# KiCad board PortWing.kicad_pcb (continued)
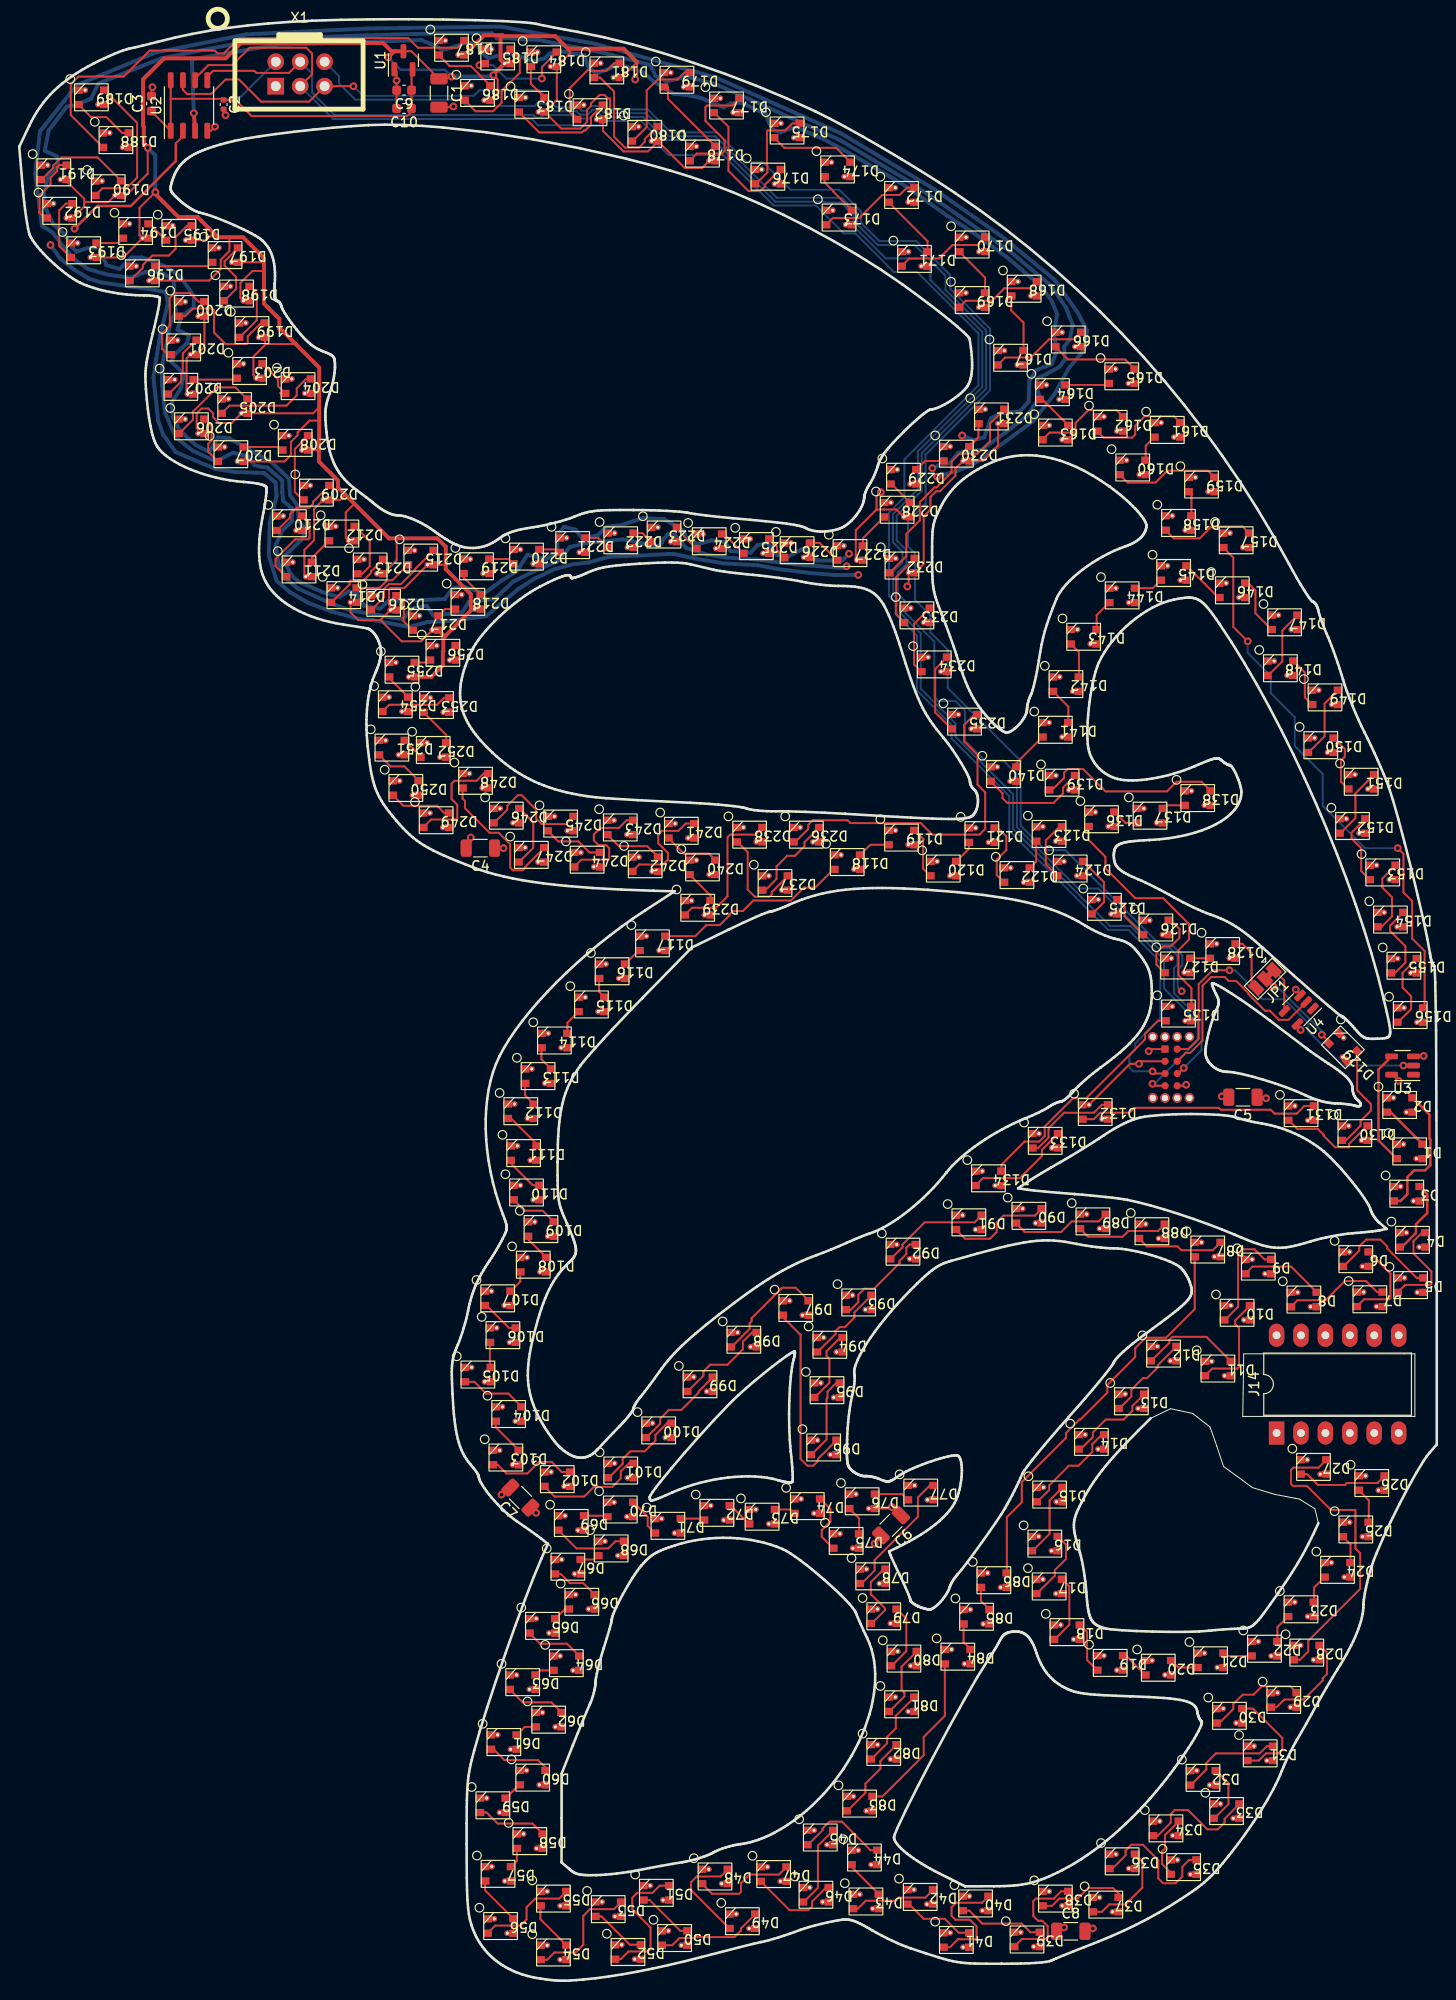
[diagram p0: board, top side]
## Routing (per net, layer and track width the routed paths; a pad name or vN(x,y) marks a point on that pad's centre or on a via; arc(x,y) is an arc through that point) (continued)
Net-(D59-DOUT): length 2
  Top w0.2: D60.2 51.98,20.36 D59.4
Net-(D60-DOUT): length 6.8
  Top w0.2: D60.4 54.75,22.15 53.96,22.94 50.46,22.94 49.33,24.06 D61.2
Net-(D61-DOUT): length 2.3
  Top w0.2: D62.2 52.57,26.39 D61.4
Net-(D62-DOUT): length 6.4
  Top w0.2: D62.4 55.36,28.94 52.36,28.94 D63.2
Net-(D63-DOUT): length 2
  Top w0.2: D64.2 54.18,32.26 D63.4
Net-(D64-DOUT): length 6.2
  Top w0.2: D64.4 56.97,35.04 54.16,35.04 D65.2
Net-(D66-DIN): length 1.8
  Top w0.2: D66.2 56.76,38.64 D65.4
Net-(D66-DOUT): length 5
  Top w0.2: D66.4 58.66,41.34 57.26,41.34 56.31,42.29 D67.2
Net-(D67-DOUT): length 2
  Top w0.2: D67.4 59.81,43.79 D68.2
Net-(D68-DOUT): length 7.9
  Top w0.2: D69.2 57.96,44.94 61.26,44.94 62.01,45.69 D68.4
Net-(D69-DOUT): length 2.4
  Top w0.2: D69.4 61.06,48.34 D70.2
Net-(D71-DIN): length 4.1
  Top w0.2: D71.2 65.36,47.29 65.36,48.24 D70.4
Net-(D71-DOUT): length 2.5
  Top w0.2: D71.4 71.06,48.04 D72.2
Net-(D72-DOUT): length 2.8
  Top w0.2: D72.4 74.01,49.39 D73.2
Net-(D73-DOUT): length 2.2
  Top w0.2: D74.2 80.21,48.99 D73.4
Net-(D74-DOUT): length 6.4
  Top w0.2: D75.2 83.46,46.15 83.46,46.84 84.36,47.74 84.36,49.04 D74.4
Net-(D75-DOUT): length 3.1
  Top w0.2: D76.2 87.35,48.05 D75.4
Net-(D76-DOUT): length 3.6
  Top w0.2: D76.4 91.81,50.59 D77.2
Net-(D77-DOUT): length 13.7
  Top w0.2: D78.2 87.61,41.29 88.96,42.64 88.96,43.74 93.46,48.24 93.46,50.24 94.71,51.49 D77.4
Net-(D78-DOUT): length 7.7
  Top w0.2: D79.2 88.66,37.14 90.06,38.54 90.06,38.69 88.6,40.14 88.56,40.14 88.56,41.44 89.91,42.79 D78.4
Net-(D79-DOUT): length 7
  Top w0.2: D79.4 92.26,37.64 92.26,34.27 90.73,32.74 D80.2
Net-(D80-DOUT): length 7.8
  Top w0.2: D80.4 91.76,32.64 91.76,30.24 92.06,29.94 92.06,29.57 90.48,27.99 D81.2
Net-(D82-DIN): length 8.4
  Top w0.2: D82.2 88.6,23.04 90.26,24.69 90.26,25.34 91.16,26.24 91.16,27.54 D81.4
Net-(D82-DOUT): length 9.1
  Top w0.2: D83.2 86.12,17.66 88,19.54 88,20.48 89.56,22.04 89.56,22.84 D82.4
Net-(D83-DOUT): length 17.5
  Top w0.2: D84.2 96.26,27.54 94.06,25.34 94.06,23.44 89.78,19.16 D83.4
Net-(D84-DOUT): length 3
  Top w0.2: D85.2 98.21,35.19 D84.4
Net-(D85-DOUT): length 2.7
  Top w0.2: D85.4 100.01,39.49 D86.2
Net-(D87-DIN): length 42.3
  Top w0.2: D86.4 102.71,48.19 104.26,49.74 104.26,51.84 108.86,56.44 108.86,56.94 110.26,58.34 110.36,58.34 113.16,61.14 113.16,61.94 116.06,64.84 116.06,65.77 117.13,66.84 119.26,66.84 122.25,69.83 D87.2
Net-(D87-DOUT): length 9.3
  Top w0.2: D87.4 124.12,75.94 120.86,75.94 120.46,76.34 117.27,76.34 D88.2
Net-(D88-DOUT): length 9.7
  Top w0.2: D89.2 111.16,77.34 114.76,77.34 115.36,77.94 118.42,77.94 D88.4
Net-(D89-DOUT): length 10.5
  Top w0.2: D89.4 112.26,78.94 109.46,78.94 108.36,77.84 104.57,77.84 D90.2
Net-(D90-DOUT): length 11.2
  Top w0.2: D90.4 105.62,79.54 102.36,79.54 101.66,78.84 101.66,77.84 100.96,77.14 98.36,77.14 D91.2
Net-(D91-DOUT): length 11.6
  Top w0.2: D92.2 90.63,75.04 91.86,76.27 91.86,76.54 94.16,78.84 99.36,78.84 D91.4
Net-(D92-DOUT): length 11.1
  Top w0.2: D92.4 92.61,76.54 92.26,76.19 92.26,75.54 91.56,74.84 91.56,74.62 88.88,71.94 87.9,71.94 87.26,71.3 87.26,70.54 86.48,69.76 D93.2
Net-(D93-DOUT): length 8.6
  Top w0.2: D94.2 83.02,65.36 84.9,67.24 84.9,67.54 85.3,67.94 85.86,67.94 86.86,68.94 86.86,69.47 D93.4
Net-(D94-DOUT): length 7.9
  Top w0.2: D94.4 85.38,66.86 83.96,65.44 83.96,64.95 84.26,64.65 84.26,62.17 82.73,60.64 D95.2
Net-(D95-DOUT): length 9
  Top w0.2: D96.2 82.38,54.69 83.96,56.27 83.96,60.52 84.06,60.62 84.06,61.24 84.96,62.14 D95.4
Net-(D96-DOUT): length 21
  Top w0.2: D97.2 79.41,68.99 81.26,67.14 81.26,54.24 81.96,53.54 82.58,53.54 83.06,54.02 83.06,54.24 D96.4
Net-(D98-DIN): length 11.7
  Top w0.2: D97.4 80.76,72.04 79.33,72.04 76.16,68.87 76.16,68.54 75.96,68.34 75.96,67.77 74.08,65.89 D98.2
Net-(D98-DOUT): length 10.5
  Top w0.2: D99.2 69.52,61.26 71.16,62.9 71.16,63.34 71.86,64.04 73.66,64.04 75.26,65.64 75.26,66.44 76.21,67.39 D98.4
Net-(D99-DOUT): length 10
  Top w0.2: D99.4 70.66,61.27 70.66,61.14 68.86,59.34 67.56,59.34 66.66,58.44 66.66,57.92 65.2,56.46 D100.2
Net-(D100-DOUT): length 9.6
  Top w0.2: D100.4 67.38,57.96 66.16,56.74 66.16,56.14 65.06,55.04 63.56,55.04 62.76,54.24 62.76,53.74 61.31,52.29 D101.2
Net-(D101-DOUT): length 11.6
  Top w0.2: D102.2 55.66,50.34 58.76,50.34 59.76,51.34 61.68,51.34 62.56,52.22 62.56,52.94 63.41,53.79 D101.4
Net-(D103-DIN): length 9.4
  Top w0.2: D103.2 49.76,53.64 50.66,52.74 52.86,52.74 54.06,53.94 55.36,53.94 56.41,52.89 D102.4
Net-(D103-DOUT): length 4
  Top w0.2: D103.4 49.55,57.55 D104.2
Net-(D104-DOUT): length 7
  Top w0.2: D105.2 47.33,62.26 48.56,61.04 50.87,61.04 D104.4
Net-(D105-DOUT): length 2.6
  Top w0.2: D105.4 48.95,63.86 D106.2
Net-(D106-DOUT): length 4.2
  Top w0.2: D107.2 48.61,70.19 50.93,67.86 D106.4
Net-(D107-DOUT): length 2.4
  Top w0.2: D107.4 52.11,72.69 D108.2
Net-(D108-DOUT): length 3
  Top w0.2: D109.2 52.91,77.09 D108.4
Net-(D109-DOUT): length 5.2
  Top w0.2: D110.2 52.56,80.04 54.46,80.04 D109.4
Net-(D110-DOUT): length 4.3
  Top w0.2: D110.4 53.41,82.69 51.11,84.99 D111.2
Net-(D111-DOUT): length 4.3
  Top w0.2: D111.4 53.81,86.99 51.16,89.64 D112.2
Net-(D113-DIN): length 2.5
  Top w0.2: D113.2 52.61,92.04 D112.4
Net-(D113-DOUT): length 2.6
  Top w0.2: D113.4 54.31,95.79 D114.2
Net-(D114-DOUT): length 2.7
  Top w0.2: D115.2 57.01,99.59 D114.4
Net-(D115-DOUT): length 2.2
  Top w0.2: D116.2 60.31,102.79 D115.4
Net-(D116-DOUT): length 2.1
  Top w0.2: D116.4 64.41,107.09 D117.2
Net-(D117-DOUT): length 20.5
  Top w0.2: D118.2 84.68,115.54 82.78,113.64 81.6,113.64 80.25,112.29 76.33,112.29 75.23,111.19 74.21,111.19 73.86,110.84 73.86,110.74 72.86,109.74 71.46,109.74 70.31,108.59 D117.4
Net-(D119-DIN): length 3.4
  Top w0.2: D118.4 88.51,118.09 D119.2
Net-(D119-DOUT): length 5.5
  Top w0.2: D120.2 94,115.61 94,118.58 94.06,118.64 D119.4
Net-(D120-DOUT): length 2.5
  Top w0.2: D120.4 98.76,117.67 D121.2
Net-(D121-DOUT): length 7
  Top w0.2: D121.4 101.76,119.84 102.66,118.94 102.66,117.54 101.66,116.54 101.66,114.94 D122.2
Net-(D122-DOUT): length 3
  Top w0.2: D123.2 105.75,116.33 D122.4
Net-(D123-DOUT): length 6.5
  Top w0.2: D124.2 106.76,116.05 106.76,118.54 108.18,119.96 D123.4
Net-(D124-DOUT): length 7
  Top w0.2: D124.4 112.81,114.2 112.81,112.12 111.58,110.89 D125.2
Net-(D125-DOUT): length 4.7
  Top w0.2: D125.4 114.96,111.64 114.96,110.64 D126.2
Net-(D126-DOUT): length 7.9
  Top w0.2: D127.2 118.26,105.64 118.26,106.84 118.96,107.54 119.78,107.54 120.66,108.42 120.66,109.34 119.76,110.24 D126.4
Net-(D127-DOUT): length 2
  Top w0.2: D128.2 D127.4
Net-(D129-DOUT): length 11.3
  Top w0.2: D129.4 139.14,92.56 140.56,91.14 140.56,90.44 139.5,89.38 139.5,88.88 137.98,87.36 D130.2
Net-(D130-DOUT): length 10.6
  Top w0.2: D131.2 132.03,89.44 132.93,88.54 135.06,88.54 135.66,87.94 135.66,87.83 136.85,86.64 138.25,86.64 138.3,86.69 138.3,86.99 140.17,88.86 D130.4
Net-(D131-DOUT): length 25.2
  Top w0.2: D132.2 111.75,89.56 112.43,90.24 115.46,90.24 115.96,90.74 124.76,90.74 124.96,90.54 130.16,90.54 130.56,90.14 132.86,90.14 133.66,90.94 D131.4
Net-(D132-DOUT): length 10.3
  Top w0.2: D132.4 112.6,91.06 111.77,90.24 108.65,90.24 107.06,88.64 107.06,88.44 107.05,88.43 107.05,87.65 105.96,86.56 D133.2
Net-(D133-DOUT): length 11.2
  Top w0.2: D133.4 106.36,86.37 106.36,85.74 104.06,83.44 100.22,83.44 D134.2
Net-(D135-DIN): length 24.8
  Top w0.2: D134.4 102.15,84.83 104.55,87.24 106.07,87.24 106.65,87.82 106.65,88.8 109.59,91.74 110.95,91.74 117.09,97.87 117.09,98.45 118.42,99.79 D135.2
Net-(D135-DOUT): length 25.7
  Top w0.2: D136.2 111.21,118.59 112.96,116.84 112.96,115.64 116.06,112.54 118.96,112.54 121.66,109.84 121.66,108.24 120.56,107.14 120.56,104.54 121.91,103.19 D135.4
Net-(D136-DOUT): length 2.8
  Top w0.2: D137.2 115.03,120.36 D136.4
Net-(D137-DOUT): length 2.4
  Top w0.2: D138.2 119.27,122.19 D137.4
Net-(D138-DOUT): length 19.8
  Top w0.2: D138.4 122.96,124.64 120.36,124.64 119.36,123.64 112.96,123.64 110.63,125.97 109.06,125.97 108.66,125.57 108.66,125.04 107.41,123.79 D139.2
Net-(D139-DOUT): length 11.6
  Top w0.2: D139.4 108.56,124.04 108.56,123.44 107.56,122.44 102.76,122.44 102.26,122.94 102.26,123.44 D140.2
Net-(D140-DOUT): length 4.2
  Top w0.2: D141.2 103.71,126.59 D140.4
Net-(D141-DOUT): length 3.9
  Top w0.2: D141.4 109.11,132.44 D142.2
Net-(D142-DOUT): length 3.8
  Top w0.2: D143.2 110.21,138.1 D142.4
Net-(D143-DOUT): length 3.3
  Top w0.2: D143.4 112.05,141.96 D144.2
Net-(D145-DIN): length 3
  Top w0.2: D145.2 117.88,144.76 D144.4
Net-(D145-DOUT): length 4.8
  Top w0.2: D145.4 124.71,143.79 D146.2
Net-(D146-DOUT): length 6.1
  Top w0.2: D147.2 128.56,142.15 128.56,144.54 127.81,145.29 D146.4
Net-(D147-DOUT): length 7.6
  Top w0.2: D148.2 129.88,135.69 131.36,137.17 131.36,140.34 131.55,140.53 131.55,140.56 D147.4
Net-(D148-DOUT): length 5.3
  Top w0.2: D149.2 133.7,133.41 133.7,136 D148.4
Net-(D149-DOUT): length 7.8
  Top w0.2: D150.2 134.08,127.69 135.76,129.37 135.76,132.77 D149.4
Net-(D151-DIN): length 6.3
  Top w0.2: D151.2 137.46,124.64 137.46,126.84 137.86,127.24 137.86,128.04 D150.4
Net-(D151-DOUT): length 7.6
  Top w0.2: D152.2 137.38,119.29 138.96,120.87 138.96,123.44 D151.4
Net-(D152-DOUT): length 7.7
  Top w0.2: D153.2 139.56,115.35 139.56,117.74 138.56,118.74 138.56,119.34 D152.4
Net-(D153-DOUT): length 8.3
  Top w0.2: D154.2 141.68,109.56 142.76,110.64 142.76,112.64 141.76,113.64 141.76,114.57 D153.4
Net-(D154-DOUT): length 8.4
  Top w0.2: D155.2 143.08,104.76 144.16,105.84 144.16,107.54 142.56,109.14 142.56,109.67 143.95,111.06 D154.4
Net-(D155-DOUT): length 8.3
  Top w0.2: D156.2 143.38,99.64 144.76,101.02 144.76,102.34 143.86,103.24 143.86,104.77 D155.4
Net-(D156-DOUT): length 58.6
  Top w0.2: v1(127.76,139.24) 126.26,140.74 126.26,147.94 D157.2 ; D156.4 146.16,101.29 146.16,107.04 144.86,108.34 144.86,112.24 143.96,113.14 143.96,117.14 v1(143.36,117.74)
  Bottom w0.2: v1(143.36,117.74) 139.96,117.74 135.56,122.14 135.56,125.44 132.66,128.34 132.66,131.34 130.16,133.84 130.16,135.64 127.76,138.04 v1(127.76,139.24)
Net-(D157-DOUT): length 9.8
  Top w0.2: D157.4 127.23,151.17 123.98,151.17 122.76,149.94 120.06,149.94 D158.2
Net-(D158-DOUT): length 2.6
  Top w0.2: D158.4 121.91,154.49 D159.2
Net-(D159-DOUT): length 11
  Top w0.2: D159.4 123.63,156.97 119.38,156.97 118.16,155.74 115.27,155.74 D160.2
Net-(D161-DIN): length 2.8
  Top w0.2: D161.2 117.15,159.56 D160.4
Net-(D161-DOUT): length 10.6
  Top w0.2: D161.4 120.07,162.64 117.05,162.64 116.06,161.64 116.06,160.74 115.73,160.42 112.78,160.42 D162.2
Net-(D162-DOUT): length 10.5
  Top w0.2: D163.2 107.16,160.94 109.78,160.94 109.86,161.02 109.86,161.94 111.18,163.27 114.13,163.27 D162.4
Net-(D163-DOUT): length 4.1
  Top w0.2: D164.2 106.41,164.39 D163.4
Net-(D164-DOUT): length 4.6
  Top w0.2: D164.4 113.16,165.89 D165.2
Net-(D165-DOUT): length 9.2
  Top w0.2: D166.2 109.07,168.54 115.01,168.54 D165.4
Net-(D167-DIN): length 10.1
  Top w0.2: D166.4 109.72,170.64 107.1,170.64 105.2,168.74 102.52,168.74 D167.2
Net-(D167-DOUT): length 6.2
  Top w0.2: D168.2 103.16,173.64 104.45,172.35 D167.4
Net-(D168-DOUT): length 9.2
  Top w0.2: D168.4 105.16,175.94 102.46,175.94 101.16,174.64 98.42,174.64 D169.2
Net-(D169-DOUT): length 5.4
  Top w0.2: D169.4 100.45,177.05 D170.2
Net-(D170-DOUT): length 9.9
  Top w0.2: D171.2 92.56,179.04 95.66,179.04 97.06,180.44 99.66,180.44 D170.4
Net-(D171-DOUT): length 6.8
  Top w0.2: D171.4 94.46,180.84 D172.2
Net-(D172-DOUT): length 10.8
  Top w0.2: D172.4 92.31,186.39 91.56,185.64 89.76,185.64 87.36,183.24 84.61,183.24 D173.2
Net-(D173-DOUT): length 4.7
  Top w0.2: D174.2 83.76,186.94 84.66,186.04 84.66,185.99 D173.4
Net-(D174-DOUT): length 9
  Top w0.2: D174.4 84.96,190.54 79.56,190.54 D175.2
Net-(D175-DOUT): length 9.9
  Top w0.2: D176.2 76.61,186.79 77.81,187.99 77.81,188.69 77.76,188.74 77.76,192.27 77.83,192.34 79.66,192.34 80.41,193.09 D175.4
Net-(D177-DIN): length 14.1
  Top w0.2: D177.2 72.28,194.19 73.76,192.72 73.76,188.14 75.86,186.04 77.06,186.04 77.56,186.54 77.56,186.72 79.13,188.29 D176.4
Net-(D177-DOUT): length 13.4
  Top w0.2: D177.4 74.16,194.94 71.53,194.94 71.36,194.77 71.36,193.34 73.36,191.34 73.36,190.22 73.08,189.94 70.46,189.94 D178.2
Net-(D178-DOUT): length 8.6
  Top w0.2: D179.2 67.43,196.86 67.46,196.84 67.46,195.64 D178.4
Net-(D179-DOUT): length 11.2
  Top w0.2: D179.4 69.18,198.36 68.46,197.64 66.4,197.64 65.26,196.5 65.26,192.72 63.78,191.24 D180.2
Net-(D180-DOUT): length 13.5
  Top w0.2: D181.2 60.41,197.84 61.86,196.39 61.86,191.71 63,190.57 64.46,190.57 65.06,191.17 65.06,191.47 66.33,192.74 D180.4
Net-(D181-DOUT): length 9.9
  Top w0.2: D182.2 57.26,194.24 57.26,196.77 59.13,198.64 59.36,198.64 59.46,198.54 61.06,198.54 61.86,199.34 D181.4
Net-(D183-DIN): length 11.3
  Top w0.2: D183.2 54.07,192.14 58.52,192.14 58.72,192.34 58.85,192.34 59.46,192.95 59.46,193.74 D182.4
Net-(D183-DOUT): length 3.8
  Top w0.2: D183.4 53.21,197.2 D184.2
Net-(D184-DOUT): length 11.1
  Top w0.2: v1(54.36,197.74) 54.36,198.94 D184.4 ; D185.2 48.26,199.14 v1(47.86,199.14)
  Bottom w0.2: v1(47.86,199.14) 49.26,199.14 50.66,197.74 v1(54.36,197.74)
Net-(D185-DOUT): length 11.4
  Top w0.2: D186.2 47.46,194.34 49.28,194.34 50.16,195.21 50.16,196.44 52.06,198.34 52.06,199.84 D185.4
Net-(D186-DOUT): length 6.7
  Top w0.2: D186.4 46.96,199.04 44.76,199.04 D187.2
Net-(D187-DOUT): length 51.8
  Top w0.2: D187.4 45.56,200.94 41.46,200.94 40.46,201.94 31.76,201.94 22.86,201.94 21.26,200.34 20.65,200.34 20.35,200.64 13.56,200.64 10.86,197.94 6.16,197.94 5.36,197.14 5.36,193.94 D188.2
Net-(D188-DOUT): length 6.5
  Top w0.2: D188.4 10.71,192.09 9.06,193.74 7.46,193.74 D189.2
Net-(D189-DOUT): length 15.6
  Top w0.2: D190.2 8.66,186.34 11.16,186.34 12.26,187.44 12.26,193.14 D189.4
Net-(D190-DOUT): length 10.5
  Top w0.2: D191.2 2.32,187.24 3.55,188.47 3.55,188.7 4.39,189.54 8.16,189.54 D190.4
Net-(D191-DOUT): length 7.6
  Top w0.2: D192.2 2.66,183.24 2.06,183.84 2.11,183.89 2.11,185.59 3.26,186.74 3.26,187.44 3.96,188.14 3.95,188.15 3.95,188.53 4.16,188.74 D191.4
Net-(D193-DIN): length 7.1
  Top w0.2: D193.2 4.16,180.34 4.16,184.04 4.86,184.74 D192.4
Net-(D193-DOUT): length 2.9
  Top w0.2: D193.4 10.26,180.64 D194.2
Net-(D194-DOUT): length 2.5
  Top w0.2: D195.2 13.56,182.64 D194.4
Net-(D195-DOUT): length 9.7
  Top w0.2: D196.2 11.53,176.74 12.86,178.07 12.86,178.37 13.83,179.34 15.56,179.34 16.26,180.04 16.26,181.24 17.46,182.44 D195.4
Net-(D196-DOUT): length 6.1
  Top w0.2: D196.4 19.66,178.24 D197.2
Net-(D197-DOUT): length 7.2
  Top w0.2: D197.4 22.76,180.14 21.36,178.74 21.36,178.31 22.56,177.11 22.56,175.87 21.33,174.64 D198.2
Net-(D199-DIN): length 6.4
  Top w0.2: D198.4 24.71,175.39 24.71,172.62 22.93,170.84 D199.2
Net-(D199-DOUT): length 13.5
  Top w0.2: D199.4 25.16,172.34 23.76,170.94 23.76,170.24 23.66,170.14 21.46,170.14 20.26,171.34 20.26,173.64 20.06,173.84 18.06,173.84 17.26,173.04 D200.2
Net-(D200-DOUT): length 11
  Top w0.2: D201.2 15.46,169.04 14.86,169.64 14.86,171.24 15.66,172.04 15.66,174.94 16.16,175.44 17.76,175.44 18.66,174.54 D200.4
Net-(D201-DOUT): length 6.9
  Top w0.2: D202.2 15.53,164.94 16.86,166.27 16.86,167.01 17.01,167.16 17.01,169.17 18.38,170.54 D201.4
Net-(D202-DOUT): length 4.5
  Top w0.2: D203.2 22.46,166.44 D202.4
Net-(D203-DOUT): length 5
  Top w0.2: D204.2 27.16,165.04 27.18,165.02 D204.2 ; D204.2 26.9,165.77 26.9,166.5 D203.4
Net-(D204-DOUT): length 11.2
  Top w0.2: D205.2 21.86,163.74 27.8,163.74 28.86,164.8 28.86,165.54 29.83,166.52 D204.4
Net-(D205-DOUT): length 10.2
  Top w0.2: D206.2 16.63,160.84 18.06,162.27 18.06,163.11 20.59,165.64 22.48,165.64 23.68,164.44 D205.4
Net-(D206-DOUT): length 5.3
  Top w0.2: D206.4 20.01,161.59 20.01,160.12 19.66,159.77 19.66,158.94 D207.2
Net-(D207-DOUT): length 4.1
  Top w0.2: D208.2 27.02,159.44 D207.4
Net-(D209-DIN): length 7.7
  Top w0.2: D208.4 28.66,159.22 28.66,154.77 29.48,153.94 D209.2
Net-(D209-DOUT): length 7.8
  Top w0.2: D210.2 26.82,150.76 28.16,152.1 28.16,152.44 28.86,153.14 30.16,153.14 30.56,153.54 30.56,153.74 D209.4
Net-(D210-DOUT): length 9.3
  Top w0.2: D211.2 26.66,147.05 26.66,147.8 28.7,149.84 30.06,149.84 30.2,149.98 30.2,151.51 D210.4
Net-(D211-DOUT): length 3
  Top w0.2: D211.4 30.45,147.93 D212.2
Net-(D212-DOUT): length 6.4
  Top w0.2: D212.4 36.45,149.65 36.45,147.03 35.68,146.26 D213.2
Net-(D213-DOUT): length 7.5
  Top w0.2: D213.4 36.6,146.51 36.6,146.38 35.76,145.54 34.43,145.54 34.36,145.47 34.36,145.17 32.48,143.29 D214.2
Net-(D215-DIN): length 6.3
  Top w0.2: D214.4 37.48,144.79 38.27,145.59 38.8,145.59 D215.2
Net-(D215-DOUT): length 9.7
  Top w0.2: D215.4 41.16,146.74 41.16,146.64 39.71,145.19 38.44,145.19 37.96,144.71 37.96,143.82 36.62,142.49 D216.2
Net-(D216-DOUT): length 4.3
  Top w0.2: D216.4 40,143.24 40,141.78 39.96,141.74 39.96,141.34 D217.2
Net-(D217-DOUT): length 2
  Top w0.2: D217.4 44.31,142.59 D218.2
Net-(D218-DOUT): length 2.9
  Top w0.2: D219.2 46.21,145.89 D218.4
Net-(D219-DOUT): length 2.7
  Top w0.2: D219.4 50.91,147.79 D220.2
Net-(D220-DOUT): length 2.2
  Top w0.2: D220.4 55.91,148.79 D221.2
Net-(D221-DOUT): length 2.7
  Top w0.2: D221.4 60.21,149.99 D222.2
Net-(D222-DOUT): length 2.2
  Top w0.2: D223.2 64.81,150.49 D222.4
Net-(D223-DOUT): length 3
  Top w0.2: D223.4 68.41,150.89 D224.2
Net-(D225-DIN): length 3
  Top w0.2: D225.2 73.31,150.39 D224.4
Net-(D225-DOUT): length 2.6
  Top w0.2: D226.2 78.8,148.71 78.8,149.1 D225.4
Net-(D226-DOUT): length 3.5
  Top w0.2: D226.4 83.25,149.46 D227.2
Net-(D227-DOUT): length 3.9
  Top w0.2: D227.4 87.75,149.96 D228.2
Net-(D228-DOUT): length 2.8
  Top w0.2: D228.4 90.72,155.59 D229.2
Net-(D229-DOUT): length 3.2
  Top w0.2: D229.4 94.21,157.99 D230.2
Net-(D231-DIN): length 2.8
  Top w0.2: D230.4 99.75,160.43 D231.2
Net-(D231-DOUT): length 23.2
  Top w0.2: D231.4 100.96,161.87 100.96,160.04 99.66,158.74 97.76,158.74 96.96,157.94 96.96,156.81 95.39,155.24 95.19,155.24 93.66,153.71 93.66,151.81 92.26,150.41 92.26,148.1 90.52,146.36 D232.2
Net-(D232-DOUT): length 7.9
  Top w0.2: D233.2 92.01,141.27 91.16,142.12 91.16,142.94 91.2,142.98 91.2,145.91 D232.4
Net-(D233-DOUT): length 7.6
  Top w0.2: D234.2 93.06,136.84 93.06,141.04 D233.4
Net-(D234-DOUT): length 8.7
  Top w0.2: D234.4 95.26,136.34 95.26,131.84 D235.2
Net-(D235-DOUT): length 35.6
  Top w0.2: D235.4 99.36,131.64 98.26,130.54 98.26,128.84 99.66,127.44 99.66,124.34 100.46,123.54 100.46,119.74 99.86,119.14 94.96,119.14 93.76,120.34 86.46,120.34 86.16,120.64 82.53,120.64 82.06,120.17 82.06,119.74 80.71,118.39 D236.2
Net-(D236-DOUT): length 9.7
  Top w0.2: D236.4 81.66,118.34 81.66,117.94 80.66,116.94 79.86,116.94 78.76,115.84 78.76,114.54 77.58,113.36 D237.2
Net-(D237-DOUT): length 11
  Top w0.2: D238.2 74.68,118.39 75.76,117.32 75.76,113.43 76.5,112.69 78,112.69 78.26,112.95 78.26,113.14 ; D237.4 78.26,113.17
Net-(D238-DOUT): length 15.5
  Top w0.2: D239.2 69.96,111.54 72.46,111.54 73.66,112.74 73.66,118.87 73.93,119.14 76.56,119.14 D238.4
Net-(D239-DOUT): length 3.6
  Top w0.2: D240.2 71.91,112.79 D239.4
Net-(D241-DIN): length 5.9
  Top w0.2: D241.2 69.13,117.17 71.73,117.17 D240.4
Net-(D241-DOUT): length 11.5
  Top w0.2: D242.2 64.47,116.04 66.96,116.04 67.46,116.54 67.46,117.24 66.46,118.24 66.46,119.17 66.83,119.54 68.56,119.54 69.31,120.29 D241.4
Net-(D242-DOUT): length 6.3
  Top w0.2: D242.4 65.32,117.94 62.36,117.94 D243.2
Net-(D243-DOUT): length 12.4
  Top w0.2: D244.2 58.46,116.54 61.26,116.54 61.36,116.64 61.36,117.74 61.06,118.04 60.26,118.04 59.76,118.54 59.76,119.17 60.43,119.84 62.36,119.84 63.16,120.64 D243.4
Net-(D244-DOUT): length 6.4
  Top w0.2: D244.4 59.31,117.29 58.16,118.44 56.06,118.44 D245.2
Net-(D245-DOUT): length 11.9
  Top w0.2: D246.2 49.38,120.36 50.76,121.74 50.76,122.14 51.86,123.24 52.26,123.24 53.76,121.74 53.76,120.82 54.33,120.24 56.86,120.24 D245.4
Net-(D247-DIN): length 6.9
  Top w0.2: D246.4 53.46,120.41 53.46,117.77 51.98,116.29 D247.2
Net-(D247-DOUT): length 15.6
  Top w0.2: D248.2 46.11,122.89 46.36,122.64 46.36,121.89 48.9,119.34 49.86,119.34 51.06,118.14 51.06,115.72 51.33,115.44 52.36,115.44 52.66,115.74 52.66,115.84 D247.4
Net-(D248-DOUT): length 12.1
  Top w0.2: D248.4 48.31,125.49 47.56,124.74 45.26,124.74 44.96,124.44 44.96,122.84 45.56,122.24 45.56,120.84 45.43,120.72 42.83,120.72 D249.2
Net-(D249-DOUT): length 6.6
  Top w0.2: D249.4 44.21,121.39 43.46,122.14 39.96,122.14 D250.2
Net-(D250-DOUT): length 5.3
  Top w0.2: D250.4 40.06,126.24 38.61,126.24 D251.2
Net-(D251-DOUT): length 2.4
  Top w0.2: D251.4 41.71,127.34 D252.2
Net-(D252-DOUT): length 4.2
  Top w0.2: D253.2 44.41,129.5 D252.4
Net-(D253-DOUT): length 7.6
  Top w0.2: D254.2 38.46,132.64 43.46,132.64 44.18,133.36 D253.4
Net-(D254-DOUT): length 2.9
  Top w0.2: D254.4 38.46,135.44 D255.2
Net-(D255-DOUT): length 1.7
  Top w0.2: D255.4 42.46,137.04 D256.2
Net-(JP1-A): length 4.7
  Top w0.2: JP1.1 131.56,103.98 131.56,100.83 U4.4
Net-(JP1-C): length 9.7
  Top w0.2: JP1.2 130.36,103.34 v1(130.46,103.34) ; D129.2 136.17,97.63 v1(135.46,98.34)
  Bottom w0.2: v1(130.46,103.34) 130.82,103.34 135.46,98.71 v1(135.46,98.34)

## Copper pours and planes (outline as drawn; the poured copper is in the pictures)
/5V on In2.Cu: 152.8,-17.18 9,-19.58 1,-5.28 -14.1,212.22 156.1,216.02
/GND on Bottom, In1.Cu: 157.02,-14.87 13.22,-17.27 5.22,-2.97 -9.88,214.53 160.32,218.33

## Text on the board
B.Silkscreen: Butterfly Badge / R0 2022 | Kegan Milard / Amiee Jackson / Chris Culpepper
